# Altium PCB CATS-Vega.PcbDoc (part 2 of 2) (continued)
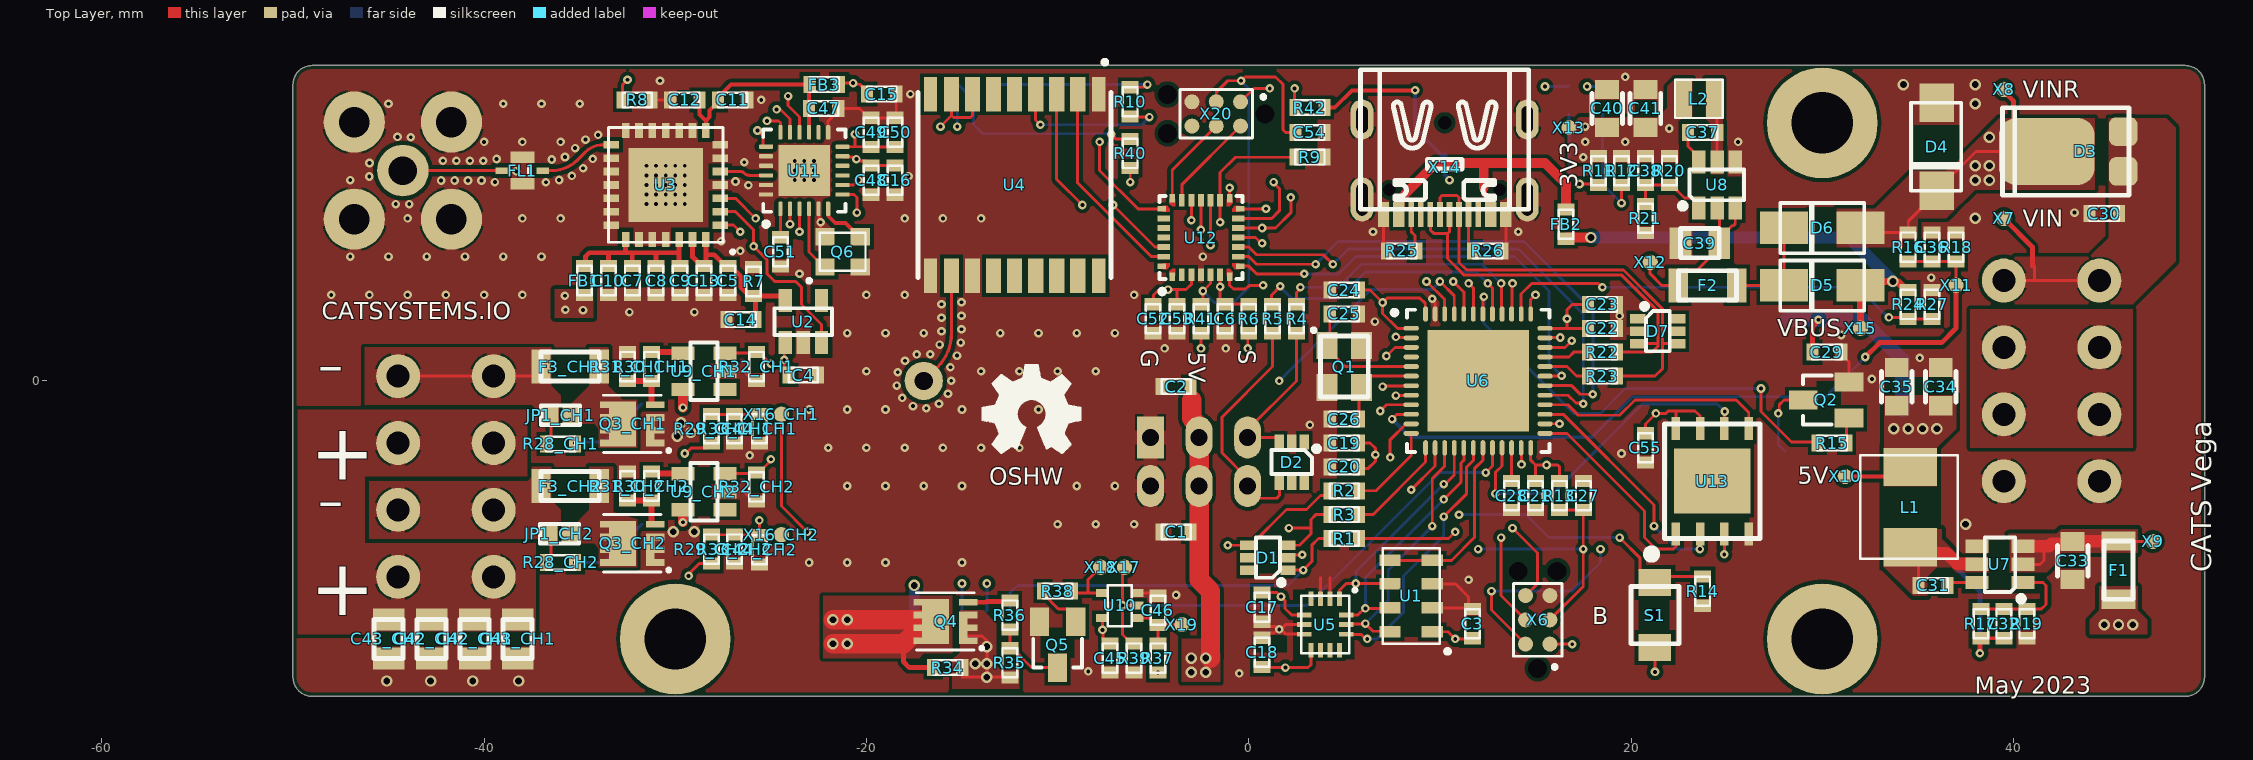
[diagram p0: Top Layer view]
## Nets (pads, with @x,y where several pads share a name; then routed paths per layer and width w, separated by ;. In a path a pad name is that pad's centre, name@x,y a point inside that pad or via, vN(x,y) a via of type N, cw(c..) or ccw(c..) an arc to the next point about the centre after c; other vN are vias at no path point) (continued)
  Top Layer w0.152: R29_CH2.1@-28.1,-8.038 -28.088,-8.05 C44_CH2.2@-25.6,-8.05 ; v1(-25.6,-7.3) C44_CH2.2@-25.6,-8.05 ; X16_CH2.1@-24.45,-8.05 C44_CH2.2@-25.6,-8.05 ; v1(7.4,-4) 7.4,-3.075 8.225,-2.25 U6.11@8.5,-2.25
  Mid Layer 2 (Sig) w0.152: v1(-25.6,-7.3) -12.6,-7.3 -5.9,-0.6 4,-0.6 v1(7.4,-4)
VBAT: D3.K D4.K D6.A F1.2 Q4.S R16.2 R34.2 R35.2 X8.1 | length 21.9
  Top Layer w0.152: -14.988,-15.5 v2(-13.7,-15.5) ; Q4.S@-14.903,-13.341 -13.959,-13.341 -13.7,-13.6 v2(-13.7,-13.9) v2(-13.7,-14.8) v2(-13.7,-15.5) ; R35.2@-12.5,-15.512 -12.512,-15.5 v2(-13.7,-15.5) ; D6.A@32,8 32.238,7.762 R16.2@34.5,7.762 34.5,8.35 36,9.85 D4.K@36,9.95 36,10.05 36.824,10.874 36.924,10.874 38.05,12 D3.K@41.566,12 ; D3.K@41.613,12 D3.K@41.75,12
  Top Layer w0.254: X8.1@39.5,15.25 39.5,15.145 40,14.646 40,13.566 41.566,12 D3.K@41.613,12
  other v2: -14.3,-14.8 44.75,-12.75 45.5,-12.75 46.25,-12.75 38,10.5 38.75,10.5 38,11.25 38.75,11.25 38.75,12.75
VBUS: D5.A FB2.1 R24.1 X15.1 | length 23.4
  Top Layer w0.381: FB2.1@16.6,7.438 FB2.1@16.662,7.5 ; X15.1@32,2.75 D5.A@32,5 ; D5.A@32.238,4.762 D5.A@32,5 ; R24.1@34.5,4.762 34.373,4.762 33.977,5.158 33.742,5.158 v2(33.7,5.2) 32.2,5.2 D5.A@32,5
  Top Layer w0.508: FB2.1@16.662,7.5 v2(17.9,7.5)
  Bottom Layer w0.635: v2(17.9,7.5) 31.4,7.5 v2(33.7,5.2)
pads on no net: D1.5 D1.6 D2.1 D2.5 D2.6 D7.1 D7.5 D7.6 LS1.NC S1.6 S2.6 U2.4 U4.5 U4.6 U4.9 U4.13 U4.14 U4.15 U4.16 U4.17 U4.18 U5.4 U5.9 U5.10 U5.11 U6.4 U6.PAD U9_CH1.1 U9_CH2.1 U11.9 U11.10 U11.14 U12.1 U12.2 U12.23 U12.24 U12.25 U12.28 U13.PAD X3.NC X6.NC X14.A8 X14.B8 X14.NC X20.6 X20.NC

## Polygon pours and split planes (outlines as drawn)
GND on Top Layer "GND_L01_P142" (solid, remove dead copper, pour order 142): -49,-16.5 cw(c-49,-15.5) -50,-15.5 -50,15.5 cw(c-49,15.5) -49,16.5 49,16.5 cw(c49,15.5) 50,15.5 50,-15.5 cw(c49,-15.5) 49,-16.5
GND on Top Layer "Top Layer-GND 2" (solid, pour order 138): -14.979,7.038 -14.82,6.972 -14.683,6.867 -14.578,6.73 -14.512,6.571 -14.489,6.4 -14.489,4.6 -14.512,4.429 -14.578,4.27 -14.683,4.133 -14.801,4.042 -14.801,2.548 -14.795,2.502 -14.8,2.47 -14.799,2.437 -14.849,1.923 -14.864,1.86 -14.874,1.796 -15.024,1.302 -15.051,1.243 -15.074,1.183 -15.317,0.727 -15.355,0.675 -15.389,0.62 -15.436,0.563 -15.415,0.514 -15.383,0.392 -15.371,0.347 -15.336,0.086 -15.336,0 -15.336,-0.086 -15.371,-0.347 -15.383,-0.392 -15.415,-0.514 -15.516,-0.757 -15.566,-0.843 -15.602,-0.907 -15.763,-1.115 -15.885,-1.237 -16.093,-1.398 -16.243,-1.484 -16.486,-1.585 -16.608,-1.617 -16.653,-1.629 -16.914,-1.664 -17,-1.664 -17.086,-1.664 -17.347,-1.629 -17.392,-1.617 -17.514,-1.585 -17.757,-1.484 -17.843,-1.434 -17.907,-1.398 -18.115,-1.237 -18.237,-1.115 -18.398,-0.907 -18.484,-0.757 -18.585,-0.514 -18.617,-0.392 -18.629,-0.347 -18.664,-0.086 -18.664,0 -18.664,0.086 -18.629,0.347 -18.617,0.392 -18.585,0.514 -18.484,0.757 -18.434,0.843 -18.398,0.907 -18.237,1.115 -18.115,1.237 -17.907,1.398 -17.757,1.484 -17.514,1.585 -17.392,1.617 -17.347,1.629 -17.086,1.664 -17,1.664 -16.914,1.664 -16.653,1.629 -16.608,1.617 -16.547,1.601 -16.433,1.816 -16.331,2.152 -16.297,2.491 -16.299,2.502 -16.299,4.042 -16.417,4.133 -16.522,4.27 -16.588,4.429 -16.611,4.6 -16.611,6.4 -16.588,6.571 -16.522,6.73 -16.417,6.867 -16.28,6.972 -16.121,7.038 -15.95,7.061 -15.15,7.061
PL2 on Top Layer "PL2_L01_P038" (solid, remove dead copper, pour order 38): -46,-5.25 -46,-8.25 -37,-8.25 -36.75,-8.5 -36,-8.5 -36,-6.75 -36.5,-6.25 -36.5,-4.5 -37.5,-4.5 -37.5,-5 -37.75,-5.25
GND on Top Layer "Top Layer-GND" (solid, pour order 141): -27.079,11.788 -26.92,11.722 -26.889,11.698 -26.581,11.698 -26.538,11.693 -26.495,11.693 -26.474,11.687 -26.452,11.686 -26.321,11.659 -26.28,11.646 -26.237,11.637 -26.198,11.618 -26.157,11.604 -26.121,11.58 -26.082,11.561 -25.989,11.498 -25.751,11.498 -25.741,11.503 -25.698,11.508 -25.656,11.52 -25.613,11.52 -25.57,11.525 -24.93,11.525 -24.887,11.52 -24.844,11.52 -24.802,11.508 -24.759,11.503 -24.719,11.486 -24.677,11.475 -24.635,11.458 -24.566,11.417 -24.486,11.371 -24.404,11.29 -24.364,11.249 -24.297,11.135 -24.277,11.1 -24.26,11.058 -24.249,11.016 -24.232,10.976 -24.227,10.933 -24.215,10.891 -24.215,10.848 -24.21,10.805 -24.21,10.695 -24.215,10.652 -24.215,10.609 -24.227,10.567 -24.232,10.524 -24.249,10.484 -24.26,10.442 -24.277,10.4 -24.318,10.331 -24.364,10.251 -24.445,10.169 -24.486,10.129 -24.6,10.062 -24.635,10.042 -24.677,10.025 -24.719,10.014 -24.759,9.997 -24.802,9.992 -24.844,9.98 -24.887,9.98 -24.93,9.975 -25.57,9.975 -25.613,9.98 -25.656,9.98 -25.698,9.992 -25.741,9.997 -25.751,10.002 -26.046,10.002 -26.055,10 -26.077,10.001 -26.098,9.998 -26.162,10.007 -26.17,10.007 -26.184,10.007 -26.189,10.009 -26.227,10.011 -26.425,10.05 -26.466,10.064 -26.509,10.073 -26.548,10.092 -26.589,10.106 -26.625,10.13 -26.663,10.149 -26.742,10.202 -26.889,10.202 -26.92,10.178 -27.079,10.112 -27.25,10.089 -28.05,10.089 -28.221,10.112 -28.38,10.178 -28.517,10.283 -28.622,10.42 -28.688,10.579 -28.711,10.75 -28.711,11.15 -28.688,11.321 -28.622,11.48 -28.517,11.617 -28.38,11.722 -28.221,11.788 -28.05,11.811 -27.25,11.811
GND on Top Layer "Top Layer-GND 1" (solid, pour order 139): -32.779,13.188 -32.62,13.122 -32.483,13.017 -32.378,12.88 -32.312,12.721 -32.289,12.55 -32.289,12.15 -32.312,11.979 -32.378,11.82 -32.483,11.683 -32.62,11.578 -32.779,11.512 -32.95,11.489 -33.75,11.489 -33.921,11.512 -34.005,11.547 -34.065,11.522 -34.192,11.424 -34.581,11.036 -34.594,11.019 -34.619,10.999 -34.642,10.975 -34.94,10.73 -34.995,10.696 -35.048,10.658 -35.388,10.476 -35.449,10.454 -35.508,10.427 -35.877,10.315 -35.941,10.304 -36.004,10.29 -36.254,10.265 -36.27,10.253 -36.429,10.187 -36.6,10.164 -37.25,10.164 -37.421,10.187 -37.58,10.253 -37.717,10.358 -37.822,10.495 -37.888,10.654 -37.911,10.825 -37.911,11.175 -37.888,11.346 -37.822,11.505 -37.717,11.642 -37.58,11.747 -37.421,11.813 -37.25,11.836 -36.6,11.836 -36.429,11.813 -36.309,11.763 -36.233,11.771 -36.021,11.835 -35.826,11.939 -35.65,12.084 -35.275,12.459 -35.249,12.493 -35.215,12.519 -35.184,12.55 -34.888,12.776 -34.863,12.791 -34.739,12.863 -34.395,13.005 -34.228,13.05 -34.164,13.058 -34.08,13.122 -33.921,13.188 -33.75,13.211 -32.95,13.211
GND on Top Layer "Top Layer-GND 3" (solid, pour order 137): -43.811,12.97 -43.645,12.926 -43.316,12.79 -43.167,12.703 -42.885,12.487 -42.763,12.365 -42.547,12.083 -42.46,11.934 -42.381,11.743 -39.736,11.743 -39.73,11.747 -39.571,11.813 -39.4,11.836 -38.75,11.836 -38.579,11.813 -38.42,11.747 -38.283,11.642 -38.178,11.505 -38.112,11.346 -38.089,11.175 -38.089,10.825 -38.112,10.654 -38.178,10.495 -38.283,10.358 -38.42,10.253 -38.579,10.187 -38.75,10.164 -39.4,10.164 -39.571,10.187 -39.73,10.253 -39.736,10.257 -42.381,10.257 -42.46,10.066 -42.547,9.917 -42.763,9.635 -42.885,9.513 -43.167,9.297 -43.316,9.21 -43.645,9.074 -43.677,9.066 -43.811,9.03 -44.164,8.983 -44.336,8.983 -44.689,9.03 -44.855,9.074 -45.184,9.21 -45.333,9.297 -45.615,9.513 -45.737,9.635 -45.953,9.917 -46.04,10.066 -46.176,10.395 -46.184,10.427 -46.22,10.561 -46.267,10.914 -46.267,11.086 -46.22,11.439 -46.176,11.605 -46.04,11.934 -45.953,12.083 -45.737,12.365 -45.615,12.487 -45.333,12.703 -45.184,12.79 -44.855,12.926 -44.823,12.934 -44.689,12.97 -44.336,13.017 -44.164,13.017
PH1 on Top Layer "PH1_L01_P042" (solid, remove dead copper, pour order 42): -15.5,-11.25 -22.255,-11.25 -22.255,-14.5 -17.25,-14.5 -17,-14.25 -15.5,-14.25
NetF3_CH1_2 on Top Layer "NETF3_CH1_2_L01_P041" (solid, remove dead copper, pour order 41): -34.5,1.75 -33.5,1.75 -33.5,-0.25 -32.75,-1 -32,-1 -32,-3.5 -34,-3.5 -34,-2.5 -34.25,-2.25 -35.5,-2.25 -35.5,-1.25 -34.5,-0.25
PL1 on Top Layer "PL1_L01_P040" (solid, remove dead copper, pour order 40): -46.25,-1.25 -37.5,-1.25 -37,-1.75 -37,-2.25 -36,-2.25 -36,-0.75 -36.5,-0.25 -36.5,1.75 -46.25,1.75
NetF3_CH2_2 on Top Layer "NETF3_CH2_2_L01_P039" (solid, remove dead copper, pour order 39): -34.5,-4.5 -34.5,-6.75 -35.5,-7.75 -35.5,-8.5 -34.25,-8.5 -34,-8.75 -34,-9.75 -32,-9.75 -32,-7.25 -33.25,-6.833 -33.25,-4.5
3V3 on Top Layer "3V3_L01_P035" (solid, remove dead copper, pour order 35): -34.3,4.8 -36.3,4.8 -36.3,3.3 -34.3,3.3
5V on Top Layer "5V_L01_P028" (solid, remove dead copper, pour order 28): -3.5,-13.5 -3.5,-15.75 -1.5,-15.75 -1.5,-14.25 -2.25,-13.5
BGND on Top Layer "BGND_L01_P025" (solid, remove dead copper, pour order 25): 46.25,3.75 46.25,-3.5 37.75,-3.5 37.75,3.75
3V3 on Top Layer "3V3_L01_P024" (solid, remove dead copper, pour order 24): 23.2,15.8 22.3,15.8 21.9,15.4 21.9,14.275 21.425,13.8 17.3,13.8 16.7,13.2 16.7,11.4 22.5,11.4 22.5,13.6 22.7,13.8 23.2,13.8
NetC37_2 on Top Layer "NETC37_2_L01_P023" (solid, remove dead copper, pour order 23): 24.2,13.4 23.9,13.7 23.9,15.8 24.8,15.8 24.8,10.8 24.2,10.8
PH1 on Top Layer "PH1_L01_P014" (solid, remove dead copper, pour order 14): -37.75,-1.5 -37.75,-5 -46.25,-5 -46.25,-8.5 -37.3,-8.5 -37.3,-13.25 -49.75,-13.25 -49.75,-1.5
VBAT on Top Layer "VBAT_L01_P008" (solid, remove dead copper, pour order 8): -15.1,-12 -15.1,-14.2 -15.5,-14.6 -15.5,-16.1 -12,-16.1 -12,-15.1 -13,-15.1 -13.2,-14.9 -13.2,-12.7 -13.9,-12
VBAT on Top Layer "VBAT_L01_P006" (solid, remove dead copper, pour order 6): 44.5,-10.75 46.5,-10.75 46.5,-12 47,-12.5 47,-13.25 44,-13.25 44,-12.5 44.5,-12
NetC30_2 on Top Layer "NETC30_2_L01_P004" (solid, remove dead copper, pour order 4): 38.5,6.5 38.5,4 46.25,4 48.5,6.25 48.5,13.25 48,13.75 45,13.75 45,7.5 44,6.5
VBAT on Top Layer "VBAT_L01_P003" (solid, remove dead copper, pour order 3): 30.75,9 30.75,7 34.5,7 35,7.5 35,8.5 36.5,8.5 38,10 44.25,10 44.25,13.75 39.25,13.75 36.5,11 34.75,11 32.75,9
5V on Top Layer "5V_L01_P002" (solid, remove dead copper, pour order 2): 33.25,-0.75 33.25,-5.5 36,-5.5 36,-3.5 37,-2.5 37,-0.75
NetC31_2 on Top Layer "NETC31_2_L01_P001" (solid, remove dead copper, pour order 1): 38.75,-9.25 37.25,-9.25 36.25,-8.25 36.25,-7.75 33.25,-7.75 33.25,-9.75 34.75,-11.25 35.5,-11.25 35.5,-10.25 36,-9.75 36.75,-9.75 37,-10 38.75,-10
NetC33_2 on Top Layer "NETC33_2_L01_P000" (solid, remove dead copper, pour order 0): 39.75,-8 39.75,-10 41.75,-10 42.75,-9 46.5,-9 46.5,-7.75 42.5,-7.75 42.25,-8
VBAT on Mid Layer 2 (Sig) "VBAT_L03_P007" (solid, remove dead copper, pour order 7): 36.5,-16.296 -15.954,-16.296 -16,-16.25 -16,-12.5 -13,-9.5 24,-9.5 29.5,-4 37.25,-4 37.25,-16.25
PH1 on Mid Layer 2 (Sig) "PH1_L03_P044" (solid, remove dead copper, pour order 44): -20.5,-12 -20.5,-16.5 -50,-16.5 -50,-2 -38.5,-2 -32.5,-8 -27.5,-8 -23.5,-12
VBAT on Mid Layer 2 (Sig) "VBAT_L03_P005" (solid, remove dead copper, pour order 5): 36.5,16.5 50,16.5 50,-16.75 36.5,-16.75
GND on Bottom Layer "GND_L06_P032" (solid, remove dead copper, pour order 32): -49,-16.5 cw(c-49,-15.5) -50,-15.5 -50,15.5 cw(c-49,15.5) -49,16.5 49,16.5 cw(c49,15.5) 50,15.5 50,-15.5 cw(c49,-15.5) 49,-16.5
5V on Bottom Layer "5V_L06_P026" (solid, remove dead copper, pour order 26): 33.25,-0.75 33.25,-5.5 27.75,-5.5 21,-12.25 -3.75,-12.25 -4,-12.5 -4,-15.75 -3.75,-16 23,-16 29.25,-9.75 35.5,-9.75 37,-8.25 37,-0.75
GND on Mid Layer 1 (GND) "GND_L02_P030" (solid, pour order 30): -49,-16.5 cw(c-49,-15.5) -50,-15.5 -50,15.5 cw(c-49,15.5) -49,16.5 49,16.5 cw(c49,15.5) 50,15.5 50,-15.5 cw(c49,-15.5) 49,-16.5
GND on Mid Layer 4 (GND) "GND_L05_P031" (solid, pour order 31): -49,-16.5 cw(c-49,-15.5) -50,-15.5 -50,15.5 cw(c-49,15.5) -49,16.5 49,16.5 cw(c49,15.5) 50,15.5 50,-15.5 cw(c49,-15.5) 49,-16.5
3V3 on Mid Layer 3 (PWR) "3V3_L04_P143" (solid, remove dead copper, pour order 143): -49,-16.5 cw(c-49,-15.5) -50,-15.5 -50,15.5 cw(c-49,15.5) -49,16.5 49,16.5 cw(c49,15.5) 50,15.5 50,-15.5 cw(c49,-15.5) 49,-16.5

## Other copper
Top Layer:
  pour cut-out: -27.174,11.334 -27.109,11.291 -27.073,11.236 -26.581,11.236 -26.562,11.233 -26.542,11.233 -26.411,11.206 -26.339,11.177 -26.228,11.102 -26.226,11.101 -26.151,11.05 -26.081,11.036 -25.674,11.036 -25.646,11.048 -25.57,11.063 -24.93,11.063 -24.854,11.048 -24.812,11.031 -24.79,11.016 -24.747,10.988 -24.737,10.972 -24.704,10.923 -24.687,10.881 -24.672,10.805 -24.672,10.695 -24.687,10.619 -24.704,10.577 -24.719,10.555 -24.747,10.512 -24.763,10.502 -24.812,10.469 -24.854,10.452 -24.93,10.437 -25.57,10.437 -25.646,10.452 -25.674,10.464 -26.082,10.464 -26.098,10.46 -26.117,10.464 -26.137,10.464 -26.335,10.504 -26.377,10.521 -26.407,10.533 -26.575,10.645 -26.576,10.647 -26.595,10.66 -26.615,10.664 -27.073,10.664 -27.109,10.609 -27.174,10.566 -27.25,10.551 -28.05,10.551 -28.126,10.566 -28.191,10.609 -28.234,10.674 -28.249,10.75 -28.249,11.15 -28.234,11.226 -28.191,11.291 -28.126,11.334 -28.05,11.349 -27.25,11.349
  pour cut-out: -32.874,12.734 -32.809,12.691 -32.766,12.626 -32.751,12.55 -32.751,12.15 -32.766,12.074 -32.809,12.009 -32.874,11.966 -32.95,11.951 -33.75,11.951 -33.826,11.966 -33.891,12.009 -33.916,12.047 -34.044,12.031 -34.298,11.926 -34.508,11.764 -34.513,11.757 -34.912,11.357 -34.92,11.345 -34.929,11.34 -34.935,11.332 -35.233,11.087 -35.25,11.078 -35.265,11.066 -35.606,10.884 -35.625,10.878 -35.642,10.869 -36.011,10.757 -36.031,10.755 -36.049,10.749 -36.433,10.712 -36.441,10.712 -36.459,10.684 -36.524,10.641 -36.6,10.626 -37.25,10.626 -37.326,10.641 -37.391,10.684 -37.434,10.749 -37.449,10.825 -37.449,11.175 -37.434,11.251 -37.391,11.316 -37.326,11.359 -37.25,11.374 -36.6,11.374 -36.524,11.359 -36.459,11.316 -36.44,11.286 -36.142,11.316 -35.843,11.406 -35.568,11.553 -35.331,11.748 -35.328,11.753 -34.941,12.139 -34.937,12.144 -34.922,12.166 -34.911,12.173 -34.903,12.183 -34.607,12.41 -34.584,12.421 -34.562,12.436 -34.218,12.578 -34.192,12.583 -34.168,12.592 -33.934,12.623 -33.934,12.626 -33.891,12.691 -33.826,12.734 -33.75,12.749 -32.95,12.749
  pour cut-out: -15.074,6.584 -15.009,6.541 -14.966,6.476 -14.951,6.4 -14.951,4.6 -14.966,4.524 -15.009,4.459 -15.074,4.416 -15.15,4.401 -15.263,4.401 -15.263,2.534 -15.263,2.531 -15.257,2.502 -15.259,2.492 -15.258,2.483 -15.309,1.969 -15.315,1.95 -15.317,1.931 -15.466,1.436 -15.476,1.419 -15.481,1.4 -15.725,0.945 -15.737,0.93 -15.746,0.913 -15.975,0.634 -15.969,0.625 -15.957,0.602 -15.943,0.58 -15.842,0.337 -15.837,0.312 -15.829,0.287 -15.794,0.026 -15.796,0 -15.794,-0.026 -15.829,-0.287 -15.837,-0.312 -15.842,-0.337 -15.943,-0.58 -15.957,-0.602 -15.969,-0.625 -16.129,-0.834 -16.149,-0.851 -16.166,-0.871 -16.375,-1.031 -16.398,-1.043 -16.42,-1.057 -16.663,-1.158 -16.688,-1.163 -16.713,-1.171 -16.974,-1.206 -17,-1.204 -17.026,-1.206 -17.287,-1.171 -17.312,-1.163 -17.337,-1.158 -17.58,-1.057 -17.602,-1.043 -17.625,-1.031 -17.834,-0.871 -17.851,-0.851 -17.871,-0.834 -18.031,-0.625 -18.043,-0.602 -18.057,-0.58 -18.158,-0.337 -18.163,-0.312 -18.171,-0.287 -18.206,-0.026 -18.204,0 -18.206,0.026 -18.171,0.287 -18.163,0.312 -18.158,0.337 -18.057,0.58 -18.043,0.602 -18.031,0.625 -17.871,0.834 -17.851,0.851 -17.834,0.871 -17.625,1.031 -17.602,1.043 -17.58,1.057 -17.337,1.158 -17.312,1.163 -17.287,1.171 -17.026,1.206 -17,1.204 -16.974,1.206 -16.713,1.171 -16.688,1.163 -16.663,1.158 -16.42,1.057 -16.398,1.043 -16.386,1.037 -16.212,1.248 -16.004,1.638 -15.875,2.062 -15.833,2.486 -15.837,2.502 -15.837,4.401 -15.95,4.401 -16.026,4.416 -16.091,4.459 -16.134,4.524 -16.149,4.6 -16.149,6.4 -16.134,6.476 -16.091,6.541 -16.026,6.584 -15.95,6.599 -15.15,6.599
  pour cut-out: -43.872,12.512 -43.847,12.504 -43.822,12.499 -43.493,12.363 -43.472,12.348 -43.448,12.337 -43.166,12.12 -43.149,12.101 -43.13,12.084 -42.913,11.802 -42.902,11.778 -42.887,11.757 -42.751,11.428 -42.746,11.403 -42.738,11.378 -42.725,11.281 -39.563,11.281 -39.541,11.316 -39.476,11.359 -39.4,11.374 -38.75,11.374 -38.674,11.359 -38.609,11.316 -38.566,11.251 -38.551,11.175 -38.551,10.825 -38.566,10.749 -38.609,10.684 -38.674,10.641 -38.75,10.626 -39.4,10.626 -39.476,10.641 -39.541,10.684 -39.563,10.719 -42.725,10.719 -42.738,10.622 -42.746,10.597 -42.751,10.572 -42.887,10.243 -42.902,10.222 -42.913,10.198 -43.13,9.916 -43.149,9.899 -43.166,9.88 -43.448,9.663 -43.472,9.652 -43.493,9.637 -43.822,9.501 -43.847,9.496 -43.872,9.488 -44.224,9.441 -44.25,9.443 -44.276,9.441 -44.628,9.488 -44.653,9.496 -44.678,9.501 -45.007,9.637 -45.028,9.652 -45.052,9.663 -45.334,9.88 -45.351,9.899 -45.37,9.916 -45.587,10.198 -45.598,10.222 -45.613,10.243 -45.749,10.572 -45.754,10.597 -45.762,10.622 -45.809,10.974 -45.807,11 -45.809,11.026 -45.762,11.378 -45.754,11.403 -45.749,11.428 -45.613,11.757 -45.598,11.778 -45.587,11.802 -45.37,12.084 -45.351,12.101 -45.334,12.12 -45.052,12.337 -45.028,12.348 -45.007,12.363 -44.678,12.499 -44.653,12.504 -44.628,12.512 -44.276,12.559 -44.25,12.557 -44.224,12.559
  pour cut-out: -32.9,1.1 -32.9,0.4 -30.8,0.4 -30.8,1.1
  pour cut-out: -32.9,-5.1 -30.8,-5.1 -30.8,-5.9 -32.9,-5.9
  pour cut-out: -36.4,-2.5 -36.4,-3.7 -34.25,-3.7 -34.25,-2.5
  pour cut-out: -36.5,-8.75 -36.5,-9.9 -34.25,-9.9 -34.25,-8.75
  pour cut-out: -36.5,-4.5 -36.5,-6.25 -34.5,-6.25 -34.5,-4.5
  pour cut-out: -36.5,1.75 -36.5,-0.25 -34.5,-0.25 -34.5,1.75
  pour cut-out: -4.05,-7.5 -4.05,-8.3 -3.35,-8.3 -3.35,-7.5
  pour cut-out: -4.2,0.1 -4.2,-0.7 -3.4,-0.7 -3.4,0.1
  pour cut-out: -26.1,1.1 -25.3,1.1 -25.3,0.4 -26.1,0.4 -26.1,0.5
  pour cut-out: 30.1,-2.8 30.9,-2.8 30.9,-3.7 30.1,-3.7
  pour cut-out: 29.9,1.9 30.6,1.9 30.6,1.1 29.9,1.1
  pour cut-out: 29.7,0 31,0 31,-2 29.7,-2
  pour cut-out: 36.195,-5.7 36.195,-7.5 33.005,-7.5 33.005,-5.7
  pour cut-out: 44.25,13.75 45,13.75 45,10.2 44.3,10.2
  pour cut-out: 16.2,8.5 16.2,7.9 17.1,7.9 17.1,8.5
  pour cut-out: 20.3,8.8 20.3,8.1 21.2,8.1 21.2,8.8
  pour cut-out: 23.2,8 23.2,6.4 23.221,6.379 24.049,6.379 24.049,7.951 24,8
  pour cut-out: 23.1,4.1 24.9,4.1 24.9,5.9 23.1,5.9
  pour cut-out: 20.8,3.6 22,3.6 22,1.5 20.8,1.5
  pour cut-out: 18.256,4.411 18.267,4.4 18.9,4.4 18.9,-0.2 18.2,-0.2
  pour cut-out: 20.3,-3.2 21.2,-3.2 21.2,-3.9 20.3,-3.9
  pour cut-out: 11.332,-12.288 12.132,-12.288 12.132,-13.087 12.107,-13.113 11.268,-13.113
  pour cut-out: -10.9,-12.9 -9.1,-12.9 -9.1,-14.5 -10.9,-14.5
  pour cut-out: -6.6,15 -6.6,14.3 -5.8,14.3 -5.8,15
  pour cut-out: 2.8,14.944 3.6,14.944 3.6,11.3 2.8,11.3
  pour cut-out: 12.15,7.2 12.15,6.4 12.85,6.4 12.85,7.2
  pour cut-out: 7.65,7.2 7.65,6.4 8.35,6.4 8.35,7.2
  pour cut-out: 23.3,13.4 24.2,13.4 24.2,12.1 23.388,12.1 23.269,11.981
  pour cut-out: 23.2,15.8 23.9,15.8 23.9,13.7 23.8,13.8 23.2,13.8
  pour cut-out: 20.2,14.7 21.3,14.7 21.3,13.8 20.2,13.8
  pour cut-out: 18.1,14.7 19.4,14.7 19.4,13.838 19.362,13.8 18.1,13.8
  pour cut-out: 17.9,11.3 17.9,10.7 22.4,10.7 22.4,11.3
  pour cut-out: 23,10.65 23.05,10.7 25.8,10.7 25.8,9.8 25.745,9.855 22.908,9.855
  pour cut-out: 29.2,9.1 30.562,9.1 30.606,9.144 30.7,9.05 30.7,4.2 29.3,4.2
  pour cut-out: 34.8,13.4 34.8,11.254 34.75,11.204 34.754,11.2 36.8,11.2 37.3,11.7 37.3,13.4
  pour cut-out: 42.5,-9 43.7,-9 43.7,-9.8 42.5,-9.8
  pour cut-out: 44.7,-9.2 46.496,-9.2 46.5,-9.204 46.5,-10.75 44.75,-10.75 44.7,-10.7
  pour cut-out: -7.2,-10.69 -7.19,-10.7 -6.2,-10.7 -6.2,-12.7 -6.26,-12.76 -7.25,-12.76
  pour cut-out: -39.05,-13.1 -37.45,-13.1 -37.45,-13.9 -39.05,-13.9
  pour cut-out: -41.3,-13.1 -39.7,-13.1 -39.7,-13.9 -41.3,-13.9
  pour cut-out: -43.55,-13.1 -41.95,-13.1 -41.95,-13.9 -43.55,-13.9
  pour cut-out: -45.8,-13.1 -44.2,-13.1 -44.2,-13.9 -45.8,-13.9
  pour cut-out: -28.8,2 -28.2,2 -28.2,-1 -28.8,-1
  pour cut-out: -28.9,-4.5 -28.1,-4.5 -28.1,-7.1 -28.9,-7.1
  pour cut-out: -24.9,7.1 -24.1,7.1 -24.1,6.4 -24.9,6.4
  pour cut-out: -22.5,7.863 -22.463,7.9 -19.9,7.9 -19.9,5.6 -22.5,5.6
  pour cut-out: -26.9,2.7 -26.9,3.7 -26.2,3.7 -26.2,2.7
  pour cut-out: -12.746,-12.006 -12.106,-12.006 -12.1,-12 -12.1,-12.5 -13.112,-12.5 -13.134,-12.478 -13.134,-11.995
  pour cut-out: 34.2,7.4 37.4,7.4 37.4,6.6 34.2,6.6
  pour cut-out: 34.1,4.3 34.1,3.6 36.2,3.6 36.2,4.3
  pour cut-out: 33.3,0.2 36.8,0.2 36.8,-0.6 33.4,-0.6 33.25,-0.75
  pour cut-out: 35.5,-10.25 35.5,-11.25 36.15,-11.25 36.2,-11.2 36.2,-10.3
  pour cut-out: 37.655,-12.455 37.655,-12.945 37.711,-13 41.1,-13 41.1,-12.4
  pour cut-out: 38.7,-8.3 39.8,-8.3 39.8,-10.9 38.7,-10.9
  pour cut-out: 2.3,-10.9 2.3,-14.6 5.552,-14.6 5.552,-10.9
  pour cut-out: -5.4,3.5 2.9,3.5 2.9,3 -5.4,3
  pour cut-out: -22.6,15.9 -21.8,15.9 -21.8,13.9 -22.6,13.9
  pour cut-out: -19.6,15.4 -18.8,15.4 -18.8,14.6 -19.6,14.6
  pour cut-out: -20.2,13.4 -18.1,13.4 -18.1,12.6 -20.2,12.6
  pour cut-out: -20.2,10.9 -18.1,10.9 -18.1,10.1 -20.256,10.1
  pour cut-out: -27.4,15.2 -26.6,15.2 -26.6,14.3 -27.4,14.3
  pour cut-out: -29.9,15.2 -29.1,15.2 -29.1,14.3 -29.9,14.3
  pour cut-out: -32.3,15.1 -31.7,15.1 -31.7,14.3 -32.3,14.3
  pour cut-out: -35.2,5.5 -25.4,5.5 -25.4,4.9 -35.2,4.9
  pour cut-out: -26.1,-5.3 -25.4,-5.3 -25.4,-5.9 -26.1,-5.9
  pour cut-out: -28.5,-2.2 -25.2,-2.2 -25.2,-2.9 -28.5,-2.9
  pour cut-out: -28.5,-8.5 -28.5,-9.1 -25.2,-9.1 -25.2,-8.5
  pour cut-out: -16.1,-14.5 -15.5,-14.5 -15.5,-15.5 -16.1,-15.5
  pour cut-out: -10.4,-10.5 -9.6,-10.5 -9.6,-11.4 -10.4,-11.4
  pour cut-out: 1.4,-3.8 1.4,-4.7 3.35,-4.7 3.35,-3.8
  pour cut-out: 0.5,-8.3 1.5,-8.3 1.5,-10.1 0.5,-10.1
  pour cut-out: -5.2,-11.6 -4.4,-11.6 -4.4,-12.4 -5.239,-12.4
  pour cut-out: -7.7,-14.1 -4.3,-14.1 -4.3,-14.9 -7.7,-14.9
  pour cut-out: 0.2,-13.3 2,-13.3 2,-14.2 0.2,-14.2
  pour cut-out: 20.4,-11.4 22,-11.4 22,-13.1 20.4,-13.1
  pour cut-out: 23.4,-10.6 24.1,-10.6 24.1,-11.4 23.4,-11.4
  pour cut-out: 21.9,-8.2 26.2,-8.2 26.2,-2.197 26.084,-2.082 21.92,-2.082
  pour cut-out: 13.3,-5.5 13.3,-6.5 17.9,-6.5 17.9,-5.5
  pour cut-out: 6.9,-9.1 10.1,-9.1 10.1,-13.4 6.9,-13.4
  pour cut-out: 4.6,-8.7 5.4,-8.7 5.4,5.2 4.6,5.2

## Silkscreen, mask and mechanical layers (free items; w line width, h text height)
Top Overlay:
  region: 2511 vertices and 0 holes, not listed, extent -13.96,-3.807 -8.755,0.871
  text "VINR" at 40.5,14.51 h1.52
  text "3V3" at 17.49,10.092 h1.52 r90
  text "VIN" at 40.5,7.76 h1.52
  text "CATSYSTEMS.IO" at -48.5,2.9 h1.52
  text "-" at -47.3,2.609 h5.08 r180
  text "VBUS" at 27.641,2.01 h1.52
  text "G" at -5.94,1.633 h1.52 r270
  text "S" at -0.84,1.633 h1.52 r270
  text "5V" at -3.44,1.533 h1.52 r270
  text "+" at -49.1,-1.661 h5.08 r180
  text "-" at -47.3,-4.491 h5.08 r180
  text "5V" at 28.717,-5.69 h1.52
  text "OSHW" at -13.587,-5.75 h1.52
  text "+" at -49.1,-8.761 h5.08 r180
  text "CATS Vega" at 50.705,-10 h1.8 r90
  text "B" at 17.967,-13.04 h1.52
  text "May 2023" at 37.974,-16.685 h1.52
Bottom Overlay:
  drawing of 22 lines, arcs and shapes, not listed
  text "HOT Surface" at -23.076,13.546 h3
  text "GNSS" at -12.578,13.5 h1.52 r90
  text "LINK" at -14.278,13.4 h1.52 r90
  text "POWER" at 17.722,13.3 h1.52 r90
  text "STATUS" at 19.422,13.3 h1.52 r90
  text "TEST" at 15.7,9.2 h1.52
  text "GROUND" at -4.378,4.7 h1.52 r90
  text "SIGNAL" at 0.822,4 h1.52 r90
  text "POWER" at -1.778,3.9 h1.52 r90
  text "+" at 34.354,3.38 h5.08
  text "-" at 34.37,-0.604 h5.08
  text "CH1" at -28.15,-1.322 h1.52
  text "SW" at 34.071,-2.461 h1.52
  text "CH1" at 4.4,-4.15 h2.03
  text "SW" at 34.071,-5.961 h1.52
  text "CH2" at 4.4,-6.85 h2.03
  text "CH2" at -28.4,-7.8 h1.52
  text "IN: 7 - 24V" at 49,-12.75 h1.7
  text "LUCA JOST" at 13.3,-13.6 h1.14
  text "JONAS BINZ" at 13.3,-14.7 h1.14
  text "Li-Po / Li-Ion: 2 - 6S" at 49,-14.75 h1.7
  text "NEMANJA STOJOSKI" at 13.3,-15.9 h1.14
  text "5V" at -26.528,-15.997 h1.78 r270
  text "GND" at -25.425,-16 h1.78 r270
  text "RX" at -24.325,-16 h1.78 r270
  text "TX" at -23.225,-16 h1.78 r270
  text "IO1" at -22.134,-15.997 h1.78 r270
  text "OUT: VIN - 5A max." at -35.25,-16.884 h1.7
Bottom Solder:
  rectangle: -32.525,8.25 -28.5,12.25
Mechanical 1:
  lines w0.2: -50,-15.5 ccw(c-49,-15.5) -49,-16.5 0,-16.5 49,-16.5 ccw(c49,-15.5) 50,-15.5 50,15.5 ccw(c49,15.5) 49,16.5 0,16.5 -49,16.5 ccw(c-49,15.5) -50,15.5 -50,-15.5